# Altium PCB smart.PcbDoc (part 2 of 5)
Units mm, origin at the board's own origin, x right, y up, seen from the top; angles counter-clockwise.
Board outline 300.1 x 225.04 mm, 2 copper layers (Top Layer, Bottom Layer); 355 components, 288 nets, 1364 pads, 1127 vias.
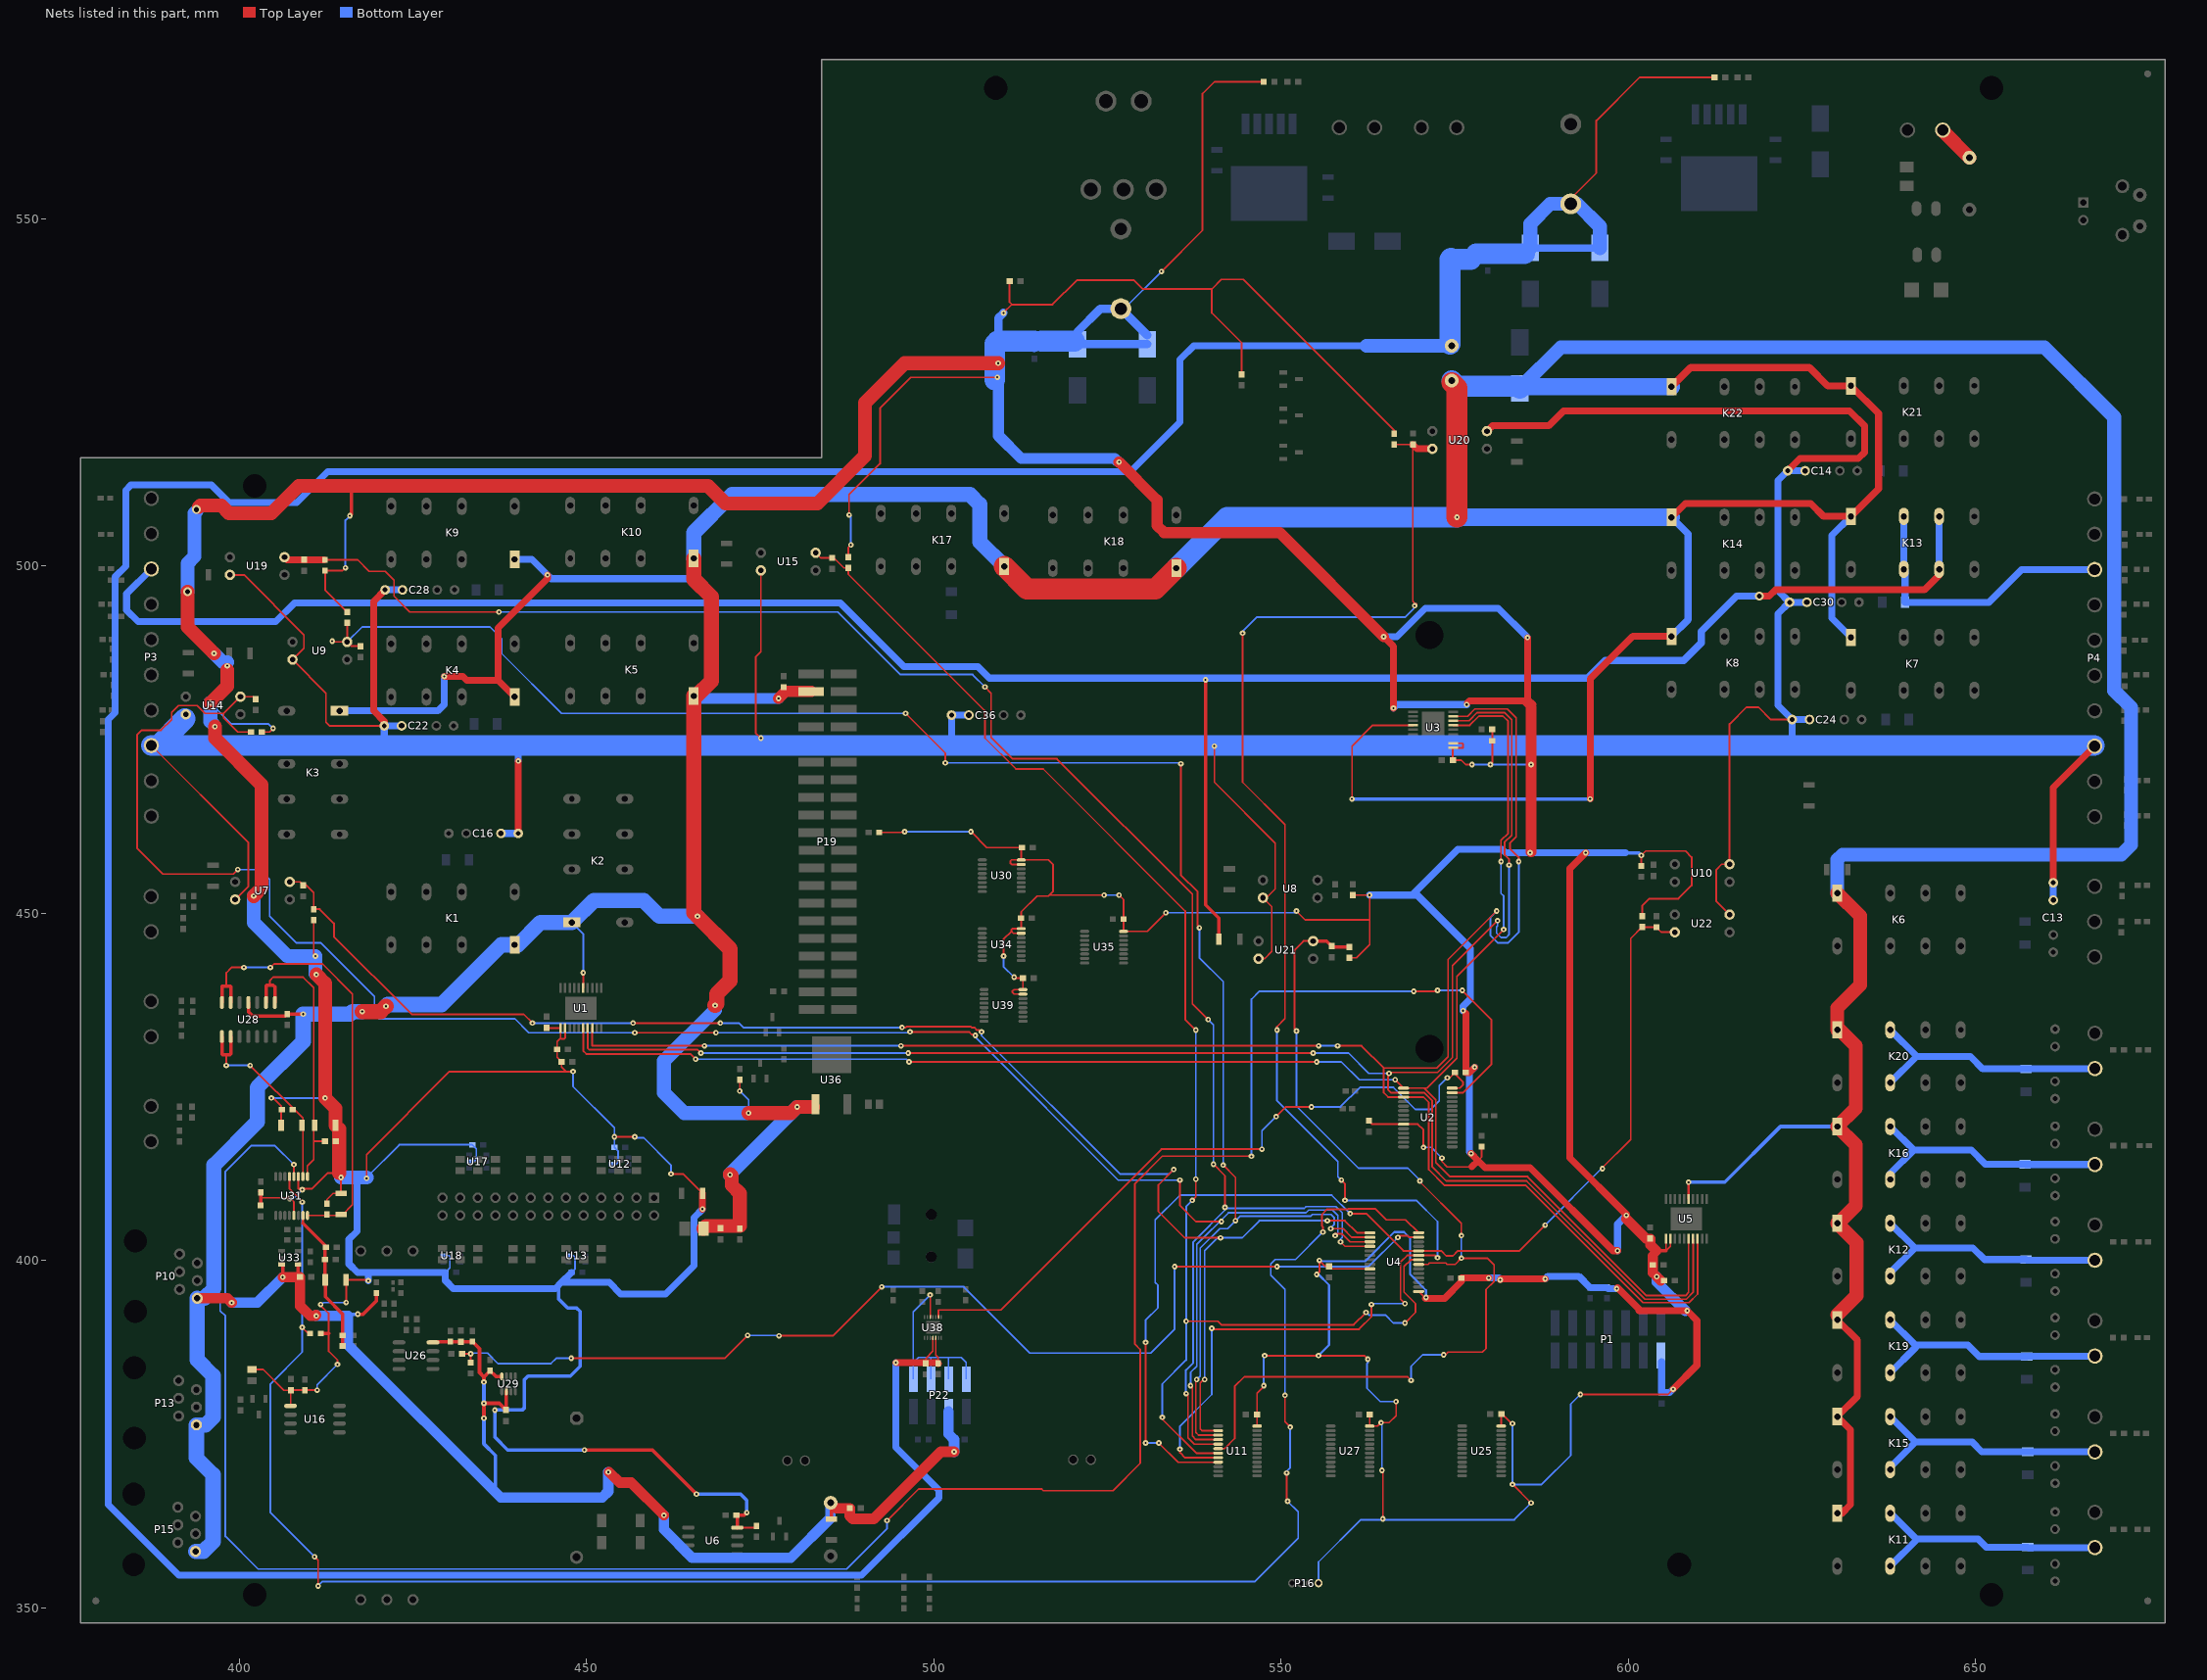
[diagram p2: the nets of this part, all layers, seen from the top]

## Via types
v1: diameter 0.8, hole 0.3, Top Layer to Bottom Layer, 1059 vias
v2: diameter 1.27, hole 0.711, Top Layer to Bottom Layer, 66 vias
v3: diameter 0.66, hole 0.33, Top Layer to Bottom Layer, tented top, 2 vias

## Nets (pads, with @x,y where several pads share a name; then routed paths per layer and width w, separated by ;. In a path a pad name is that pad's centre, name@x,y a point inside that pad or via, vN(x,y) a via of type N, cw(c..) or ccw(c..) an arc to the next point about the centre after c; other vN are vias at no path point)
3.3VCC: C1.1 C2.1 C3.1 C4.1 C5.1 C6.1 C7.2 C15.1 C18.2 C19.2 C26.1 C27.2 C32.2 C33.2 C46.1 C47.1 C57.2 C59.1 C60.2 C66.2 C76.1 C77.1 C78.2 C79.2 C81.2 D29.1 D30.1 D31.1 D32.1 L1.2 P1.1 P16.4 R1.1 R2.1 R3.1 R4.1 R9.1 R10.1 R11.2 R12.1 R13.1 R14.1 R15.1 R16.1 R17.1 R18.1 R20.2 R29.1 R30.1 R44.1 R45.1 R58.1 R59.1 R60.1 R76.1 R77.1 R80.1 R81.1 R105.1 R109.1 R117.1 R124.2 R125.2 R126.2 U1.1 U1.2 U2.9 U3.1 U3.2 U4.9 U4.15 U5.1 U5.2 U6.8 U11.24 U12.5 U13.5 U16.1 U17.5 U18.5 U25.24 U27.24 U30.15 U30.16 U31.5 U31.11 U34.15 U34.16 U35.16 U39.15 U39.16 | length 1670.3
  Top Layer w0.254: R60.1@401.828,384.34 403.441,384.34 406.438,381.343 C26.1@407.416,381.343 ; 403.098,409.067 407.289,409.067 407.868,408.488 U31.5@407.868,406.521 ; R58.1@403.238,476.123 404.368,476.123 v1(404.876,476.631) ; v1@404.876,423.418 406.043,422.251 D30.1@406.043,419.481 ; U16.1@407.382,379.095 407.416,379.129 C26.1@407.416,381.343 ; C26.1@407.382,381.309 C26.1@407.416,381.343 ; U31.11@408.518,412.121 408.518,410.378 410.505,410.378 412.75,412.623 414.401,412.623 ; v1@410.718,443.865 R29.1@410.718,449.059 ; v1(411.213,381.368) C27.2@409.448,381.368 407.441,381.368 C26.1@407.416,381.343 ; v1(411.734,393.7) 411.734,393.573 412.877,392.43 412.877,389.509 412.877,386.969 414.147,385.699 v1(414.147,385.064) ; R125.2@412.623,408.191 412.623,408.813 413.512,409.702 414.631,409.702 D31.1@414.655,409.678 v1(414.655,411.988) ; D32.1@413.869,419.481 414.401,418.949 ; v1(415.29,499.745) 414.896,499.351 R76.1@412.369,499.351 412.369,496.583 R44.1@415.544,493.408 ; v1(415.393,393.978) D29.1@415.393,397.256 v1@418.592,397.256 ; v1(418.338,411.861) 418.338,415.29 430.276,427.228 447.04,427.228 ; C1.1@444.246,433.794 444.543,433.497 U1.1@446.274,433.497 446.274,432.058 ; U1.2@446.924,433.497 446.924,432.065 446.786,431.927 446.405,431.927 446.274,432.058 ; v1(448.056,427.228) 447.04,427.228 ; v1(454.012,417.83) v1(456.946,417.83) ; v1(462.153,412.496) 463.907,412.496 R20.2@466.701,409.702 ; v1(466.701,407.44) v1@466.852,407.289 ; U6.8@471.709,361.569 474.205,361.569 R17.1@474.472,361.836 ; R59.1@487.68,501.282 487.68,502.666 v1(488.061,503.047) ; v1(487.807,507.365) 487.807,510.286 492.252,514.731 492.252,522.732 496.697,527.177 v1(509.143,527.177) ; R105.1@492.138,461.645 495.427,461.645 v1@495.554,461.772 ; v1(505.333,461.772) 507.619,459.486 C57.2@512.686,459.486 512.578,459.378 U30.16@512.578,457.697 ; v1(510.032,443.865) 510.032,446.278 511.175,447.421 ; v1(510.032,536.448) 511.238,537.654 ; R3.1@510.908,541.02 510.908,537.985 511.238,537.654 ; v1(511.556,440.817) 511.683,440.69 C81.2@512.813,440.69 ; C79.2@512.559,449.326 512.559,450.202 514.858,452.501 516.509,452.501 516.636,452.628 ; U34.15@512.578,447.141 511.455,447.141 511.175,447.421 ; C79.2@512.578,449.307 U34.16@512.578,447.791 511.291,447.791 511.175,447.675 511.175,447.421 ; U30.15@512.578,457.047 511.201,457.047 511.048,457.2 511.048,457.581 511.164,457.697 U30.16@512.578,457.697 ; U39.15@512.832,438.378 511.582,438.378 511.302,438.658 511.302,438.785 511.545,439.028 U39.16@512.832,439.028 C81.2@512.832,440.671 ; v1(524.51,452.628) 516.636,452.628 ; v1(526.669,452.628) 527.317,451.98 C66.2@527.317,449.199 527.31,449.192 U35.16@527.31,447.41 530.722,447.41 v1(533.4,450.088) ; v1(532.765,542.417) 538.67,548.322 538.67,568.007 540.385,569.722 R109.1@547.484,569.722 ; R18.1@544.322,527.571 544.322,532.13 540.004,536.448 540.004,539.877 ; U11.24@546.536,376.193 546.536,377.808 C15.1@546.519,377.825 546.519,380.911 v1@547.497,381.889 ; v1(547.624,386.334) v1(555.371,386.334) 561.975,386.334 v1(562.483,385.826) ; v1(552.196,450.342) 553.466,449.072 562.737,449.072 ; v1(555.498,400.05) 556.349,399.199 C4.1@556.895,399.199 557.273,398.821 U4.9@562.793,398.821 ; R80.1@559.816,443.598 560.819,443.598 562.737,445.516 562.737,449.072 ; R30.1@560.324,452.615 560.337,452.628 v1(562.737,452.628) 562.737,449.072 ; C2.1@562.61,420.154 563.115,419.649 U2.9@567.619,419.649 569.681,419.649 570.484,418.846 v1(570.484,416.306) ; C46.1@562.775,377.825 562.743,377.793 U27.24@562.743,376.193 563.899,376.193 v1(564.388,376.682) 565.531,376.682 566.547,377.698 v1(566.547,379.73) ; v1(564.515,369.824) 564.642,369.697 v1(564.642,362.839) ; R77.1@566.293,519.062 566.293,519.557 544.576,541.274 541.401,541.274 540.004,539.877 ; v1(573.151,414.782) 573.151,414.274 573.913,413.512 577.469,413.512 ; U3.2@574.756,474.483 576.061,474.483 576.199,474.345 576.199,473.837 576.195,473.833 U3.1@574.756,473.833 574.713,473.79 C3.1@574.713,472.059 575.945,472.059 576.58,471.424 v1(577.469,471.424) ; 575.958,397.015 R12.1@575.958,397.51 ; v1(576.199,435.991) 576.593,435.597 ; 578.358,414.401 578.866,414.909 R4.1@578.866,416.42 ; v1(580.136,471.424) 580.403,471.691 R9.1@580.403,474.853 R10.1@580.403,476.504 ; U25.24@581.666,376.193 C47.1@581.666,377.92 ; C47.1@581.698,377.952 581.787,377.952 v1@583.057,376.682 ; v1(583.311,367.792) v1(585.978,365.125) ; v1(585.851,458.724) v1@585.978,458.851 ; v1(593.09,380.746) 605.663,380.746 v1(606.425,381.508) ; R45.1@601.853,456.832 v1(601.853,458.343) 602.488,458.978 608.203,458.978 609.092,458.089 609.092,454.025 607.187,452.12 602.996,452.12 601.98,451.104 R81.1@601.98,449.593 ; C6.1@603.123,403.187 C6.1@603.166,403.144 ; 604.008,401.451 604.27,401.451 ; 604.647,397.129 R16.1@605.142,397.129 ; U5.1@605.405,403.144 605.405,401.451 605.409,401.447 606.055,402.093 U5.2@606.055,403.144 ; 446.274,432.058 445.757,431.541 R1.1@445.757,430.403 445.757,429.273 446.392,428.638 R2.1@446.392,428.625 446.392,427.876 447.04,427.228 ; 511.238,537.654 517.081,537.654 520.573,541.147 528.828,541.147 530.098,539.877 540.004,539.877 ; U30.16@512.578,457.697 516.52,457.697 517.144,457.073 517.144,453.136 516.636,452.628
  Top Layer w0.3: v1(555.117,398.018) 555.498,398.399 v1(555.498,400.05) ; U4.15@569.793,395.571 v1@570.775,394.589
  Top Layer w0.5: R117.1@411.747,389.509 412.877,389.509 ; v1(449.707,372.745) 459.486,372.745 v1(465.836,366.395) ; C7.2@471.564,363.347 472.694,363.347 v1(473.075,363.728) ; U6.8@471.709,361.569 C7.2@471.709,363.202 ; 604.27,401.451 605.405,401.451
  Top Layer w0.508: C60.2@402.958,409.956 C60.2@403.098,409.816 403.098,409.067 C59.1@403.098,407.962 ; v1(415.925,507.238) 416.179,507.492 416.179,511.556
  Top Layer w1: v2(393.827,508.127) v2@394.208,508.508 ; 414.02,412.623 v1(414.655,411.988) ; v1(466.701,407.44) R20.2@466.701,409.702 ; v1(564.769,489.839) 566.166,488.442 v1(566.166,479.552) ; v1@570.775,394.589 573.532,394.589 575.958,397.015 ; R12.1@575.958,397.51 575.973,397.525 577.918,397.525 577.933,397.51 v1(579.882,397.51) ; 576.593,435.597 R11.2@576.593,427.101 577.088,427.101 v1(577.85,427.863) ; v1@576.834,480.314 577.088,480.568 584.962,480.568 585.978,479.552 ; v1(577.342,415.417) 578.358,414.401 ; 577.469,413.512 578.358,414.401 ; v1(581.533,397.256) 581.533,397.27 581.646,397.383 v1(588.01,397.383) ; v1(585.47,489.712) 585.47,480.822 586.232,480.06 ; v1(593.852,458.724) 591.566,456.438 591.566,414.782 v1@599.694,406.654 ; v1@598.424,396.113 601.599,392.938 ; v1(598.424,401.447) 597.789,401.447 585.851,413.385 579.374,413.385 578.358,414.401 ; 599.694,406.019 v1(599.694,406.527) ; 601.472,392.811 v1(608.457,392.811) 609.854,391.414 609.854,384.937 v1(606.425,381.508) ; 602.526,403.187 C6.1@603.123,403.187 ; 603.491,398.285 v1(604.069,397.707) ; 603.491,400.672 604.27,401.451
  Top Layer w1.5: v1@585.978,458.851 v1(585.978,471.424) 585.978,479.552 ; 599.694,406.019 602.526,403.187 ; C6.1@603.166,403.144 603.166,402.293 604.008,401.451 ; 603.491,398.285 R15.1@603.491,399.415 603.491,400.672 ; v1(604.069,397.707) 604.647,397.129
  Top Layer w1.6: v1(526.669,514.985) 532.13,509.524 532.13,505.841 533.146,504.825 549.783,504.825 v1(564.769,489.839)
  Top Layer w2: v2(392.557,496.316) 392.557,491.236 v1(396.367,487.426) ; v2@394.208,508.508 394.406,508.706 397.439,508.706 398.526,507.619 404.622,507.619 408.559,511.556 416.179,511.556 467.487,511.556 470.027,509.016 483.235,509.016 490.093,515.874 490.093,523.494 495.808,529.209 v1(509.27,529.209) ; v1(395.859,480.314) 398.272,482.727 398.272,485.013 ; v1(396.494,476.885) 396.494,475.234 403.225,468.503 403.225,453.644 v1(402.082,452.501) ; v1(411.099,441.198) 412.369,439.928 v1(412.369,423.418) 413.869,421.918 D32.1@413.869,419.481 ; 414.401,412.623 414.401,418.949
  Bottom Layer w0.254: v1(395.859,480.314) 398.907,477.266 404.241,477.266 v1(404.876,476.631) ; v1(404.622,423.418) v1(412.369,423.418) ; v1(407.289,408.94) 407.797,408.94 v1(409.067,410.21) ; v1@410.972,441.325 v1(411.099,441.198) ; v1(411.213,381.368) 411.213,382.13 v1(414.147,385.064) ; v1(411.734,393.7) 411.734,393.573 412.139,393.978 v1(415.393,393.978) ; v1(415.29,499.745) 415.29,506.603 v1(415.925,507.238) ; v1@418.338,411.988 423.037,416.687 C33.2@433.565,416.687 434.14,416.112 434.14,414.655 433.759,414.274 U17.5@433.115,414.274 ; 418.592,397.818 419.1,398.326 ; U18.5@429.359,400.739 430.203,400.739 430.33,400.612 430.33,398.974 C32.2@429.682,398.326 ; U13.5@447.393,400.739 448.11,400.739 448.364,400.485 448.364,398.847 C18.2@447.843,398.326 ; v1(448.056,427.228) 448.056,425.069 454.012,419.113 v1(454.012,417.83) C19.2@454.012,416.306 454.533,415.785 454.533,414.147 454.279,413.893 U12.5@453.562,413.893 ; v1@457.2,417.703 458.216,417.703 462.153,413.766 v1(462.153,412.496) ; v1(487.807,507.365) 488.061,507.111 v1(488.061,503.047) ; v1(495.808,461.772) v1(505.333,461.772) ; 508.762,526.796 509.27,526.288 ; 509.294,526.034 509.548,526.288 ; v1(510.032,443.865) 510.032,442.341 v1(511.556,440.817) ; v1(524.51,452.628) v1(526.669,452.628) ; L1.2@526.923,537.043 527.391,537.043 v1(532.765,542.417) ; v1(533.4,450.088) 551.942,450.088 v1(552.196,450.342) ; v1(547.497,382.016) 547.497,386.207 v1(547.624,386.334) ; v1(555.117,398.018) v1@555.371,398.018 ; P16.4@555.386,353.568 555.386,356.631 561.467,362.712 583.565,362.712 v1(585.978,365.125) ; v1(555.498,400.05) v1@555.625,399.923 ; v1(562.483,385.826) 562.483,385.318 562.356,385.191 562.356,381.635 564.261,379.73 v1(566.547,379.73) ; v1(564.388,376.682) 564.515,376.555 v1(564.515,369.824) ; v1(570.484,416.306) 571.627,416.306 v1(573.151,414.782) ; v1(577.469,471.424) v1(580.136,471.424) v1(585.978,471.424) ; v1(583.311,367.792) 587.502,367.792 591.693,371.983 591.693,379.349 v1(593.09,380.746) ; v1@583.311,368.046 v1(583.311,376.555) ; R13.1@596.9,396.126 R13.1@597.04,395.986 ; v1@608.203,392.811 v1(608.457,392.811)
  Bottom Layer w0.3: v1(555.371,386.334) 556.895,387.858 556.895,396.494 v1@555.371,398.018 ; v1@555.625,399.923 562.102,399.923 566.293,404.114 567.69,404.114 568.579,403.225 568.579,398.018 570.865,395.732 v1(570.865,394.716)
  Bottom Layer w0.5: 446.011,396.494 446.011,394.475 447.294,393.192 448.564,393.192 449.072,392.684 449.072,384.81 447.675,383.413 441.579,383.413 441.071,382.905 441.071,378.841 440.728,378.498 v1(436.791,378.498) 436.791,374.612 438.658,372.745 v1(449.707,372.745) ; v1(465.836,366.395) 472.186,366.395 473.075,365.506 v1(473.075,363.728) ; 599.567,458.724 601.472,458.724 v1(601.853,458.343)
  Bottom Layer w0.508: v1(396.367,487.426) v1@396.494,487.426
  Bottom Layer w1: v2@393.827,507.873 v2(393.827,508.127) ; 416.941,411.988 416.941,404.241 415.798,403.098 415.798,399.542 417.014,398.326 419.1,398.326 C32.2@429.682,398.326 429.682,397.129 430.825,395.986 445.503,395.986 446.392,396.875 ; v1(418.592,397.129) 418.592,397.818 ; C18.2@447.843,398.326 446.392,396.875 ; v1(466.701,407.44) 465.455,406.194 465.455,399.288 461.391,395.224 454.914,395.224 453.263,396.875 446.392,396.875 ; v1(562.737,452.628) 569.595,452.628 577.215,445.008 577.215,437.642 576.199,436.626 v1(576.199,435.991) ; v1(564.769,489.839) 566.674,489.839 570.738,493.903 581.279,493.903 v1(585.47,489.712) ; v1(566.166,479.552) 566.674,480.06 v1(576.707,480.06) ; 568.833,452.628 575.437,459.232 581.787,459.232 582.295,458.724 v1(585.851,458.724) v1(593.852,458.724) 599.567,458.724 ; v1(577.342,415.417) 577.088,415.671 577.088,427.101 v1(577.85,427.863) ; v1(579.882,397.51) v1@581.406,397.51 ; v1(588.01,397.383) 588.391,397.764 592.849,397.764 R14.1@594.487,396.126 R13.1@596.9,396.126 ; R13.1@597.04,395.986 v1(598.297,395.986) ; v1(598.424,401.447) 598.424,405.257 v1(599.694,406.527) ; P1.1@604.774,385.456 C5.1@604.774,381.038 605.955,381.038 v1(606.425,381.508)
  Bottom Layer w1.2: 509.294,532.384 509.294,535.71 v1(510.032,536.448) ; C78.2@514.477,531.381 514.477,532.384 ; C76.1@520.262,532.384 C76.1@520.695,531.951 ; C77.1@530.728,531.951 C76.1@520.695,531.951 ; C77.1@530.728,533.238 L1.2@526.923,537.043 523.962,537.043 520.695,533.776 C76.1@520.695,531.951
  Bottom Layer w1.5: v1(604.069,397.707) 604.069,396.945 v1@608.203,392.811
  Bottom Layer w1.6: 509.294,526.034 509.294,518.771 512.572,515.493 526.034,515.493 v1@526.415,515.112
  Bottom Layer w2: v2(392.557,496.316) 392.557,500.38 393.573,501.396 393.573,507.619 v2@393.827,507.873 ; v1(395.859,480.314) 395.859,477.647 396.24,477.266 ; v1(396.367,487.426) 397.637,486.156 398.272,486.156 ; v1(402.082,452.501) 402.082,448.691 406.908,443.865 v1(410.972,443.865) v1@410.972,441.325 ; v1(414.655,411.988) 416.941,411.988 v1@418.338,411.988
  Bottom Layer w3: 508.762,526.796 508.762,532.003 ; 509.143,532.384 509.294,532.384 514.477,532.384 ; 515.48,532.384 C76.1@520.262,532.384
  other v1: 398.272,485.648
5VCC: C8.1 C9.1 C10.2 C40.1 C41.2 C43.2 C51.2 C53.1 C54.1 C55.2 C61.1 C88.1 D3.1 F2.2 K1.1 K2.1 K3.1 K4.1 K5.1 K6.1 K7.1 K8.1 K9.1 K10.1 K11.1 K12.1 K13.1 K14.1 K15.1 K16.1 K17.1 K18.1 K19.1 K20.1 K21.1 K22.1 L3.2 LS1.1 P10.1 P13.1 P15.1 P19.3 P22.3 R113.1 R119.1 R127.2 U1.15 U3.15 U5.15 U26.8 U28.4 U29.2 U29.8 U33.3 U33.4 U36.1 | length 1360.5
  Top Layer w0.254: U1.15@449.524,439.247 v1(449.524,441.452) ; v1(472.059,424.434) R127.2@472.059,426.072 ; v1(560.197,466.471) 560.197,474.091 563.189,477.083 U3.15@569.006,477.083
  Top Layer w0.3: U5.15@608.655,408.894 v1(608.655,411.297)
  Top Layer w0.5: U28.4@401.32,437.171 401.32,435.864 401.955,435.229 406.641,435.229 C51.2@406.908,435.496 v1(409.207,435.496) ; U33.3@406.114,399.481 406.273,399.322 v1(406.273,397.637) ; U33.4@408.464,399.481 408.464,397.948 C61.1@408.775,397.637 ; v1(417.068,392.303) 417.83,392.303 419.735,394.208 R119.1@419.735,395.084 ; U26.8@427.9,388.239 428.014,388.353 C43.2@430.403,388.353 C41.2@433.578,388.353 434.594,387.337 434.594,383.908 435.229,383.273 ; v1(435.229,377.317) v1(435.229,379.476) 437.426,379.476 C54.1@438.404,378.498 438.46,378.554 U29.2@438.46,381.195 ; v1(435.229,382.524) 435.229,383.273 ; U29.8@437.81,383.345 436.935,383.345 C55.2@436.118,384.162 435.229,383.273 ; 478.409,481.711 C53.1@478.409,482.562 479.016,481.955 ; U36.1@482.605,422.148 U36.1@482.977,422.52 ; D3.1@485.267,362.815 LS1.1@485.267,365.013 ; L3.2@574.548,526.415 L3.2@574.548,526.709 ; K19.1@630.066,391.478 K19.1@630.066,392.195 ; K12.1@630.066,405.398 K12.1@630.188,405.398 ; K20.1@630.066,433.236 K20.1@630.389,433.236
  Top Layer w1: v1(429.514,484.124) 432.181,484.124 432.747,483.558 437.261,483.558 ; K4.1@439.655,481.164 437.261,483.558 ; v1(444.373,498.729) 444.373,498.221 437.261,491.109 437.261,483.558 ; 465.436,450.107 v1(465.963,449.58) ; v1(594.487,466.471) 594.487,483.743 600.622,489.878 K8.1@606.19,489.878 ; K14.1@606.19,507.023 608.183,509.016 626.237,509.016 628.103,507.15 K13.1@632.03,507.15 636.016,511.136 636.016,521.96 K21.1@632.03,525.946 628.689,525.946 626.061,528.574 608.945,528.574 K22.1@606.19,525.819 ; K11.1@630.066,363.64 630.721,363.64 631.952,364.871 631.952,375.673 K15.1@630.066,377.559 632.968,380.461 632.968,388.576 K19.1@630.066,391.478
  Top Layer w1.5: P10.1@393.964,394.589 398.272,394.589 v1(398.907,393.954) ; v1(406.273,397.637) C61.1@408.775,397.637 408.775,393.484 410.21,392.049 410.972,392.049 v1@411.099,392.176 ; v1@453.263,369.57 454.787,368.046 456.438,368.046 v1(461.137,363.347) ; LS1.1@485.267,365.013 485.917,364.363 C8.1@487.896,364.363 487.896,363.258 488.315,362.839 491.363,362.839 501.015,372.491 v1(502.92,372.491)
  Top Layer w1.6: K5.1@465.436,481.291 K5.1@465.797,481.291 ; v1(477.647,480.949) 478.409,481.711 ; 479.016,481.955 P19.3@482.347,481.955
  Top Layer w2: F2.2@466.83,404.622 467.209,405.003 472.059,405.003 472.059,409.702 470.916,410.845 470.916,412.242 470.662,412.496 v1(470.662,412.369) ; v1(473.329,421.259) 479.425,421.259 v1(480.314,422.148) U36.1@482.605,422.148 ; K19.1@630.066,392.195 632.841,394.97 632.841,402.623 K12.1@630.066,405.398 ; K20.1@630.066,433.236 630.066,436.391 633.349,439.674 633.349,449.638 K6.1@630.066,452.921 ; K12.1@630.188,405.398 632.714,407.924 632.714,416.669 K16.1@630.066,419.317 632.714,421.965 632.714,430.911 K20.1@630.389,433.236
  Top Layer w2.2: v1(417.703,435.864) 420.37,435.864 v1(421.132,436.626) ; 465.436,450.107 K5.1@465.436,481.291 ; K10.1@465.436,501.103 465.436,498.113 467.995,495.554 467.995,483.489 K5.1@465.797,481.291 ; v1(465.963,449.58) 470.662,444.881 470.662,440.309 468.757,438.404 468.757,437.007 v1(468.503,436.753)
  Top Layer w3: K17.1@510.14,499.96 513.403,496.697 531.896,496.697 K18.1@534.905,499.706 ; L3.2@574.548,526.415 575.31,525.653 v1(575.31,507.023)
  Bottom Layer w0.254: K2.1@447.89,448.71 449.524,447.076 v1(449.524,441.452) ; v1(472.059,424.434) 473.329,423.164 473.329,421.894
  Bottom Layer w0.5: P10.1@393.964,394.589 394.97,394.589 ; 415.417,392.303 v1(417.068,392.303) ; v1(435.229,377.317) 435.229,373.634 436.88,371.983 436.88,366.649 ; v1(435.229,379.476) v1(435.229,382.524) ; K5.1@465.436,481.291 K5.1@465.778,480.949 ; R113.1@502.907,374.269 R113.1@502.92,374.256 ; v1(560.197,466.471) v1(594.487,466.471) ; C88.1@584.352,525.58 C88.1@584.591,525.819 ; v1(608.655,411.297) 613.862,411.297 621.882,419.317 K16.1@630.066,419.317
  Bottom Layer w1: K3.1@414.44,479.152 428.606,479.152 429.514,480.06 v1(429.514,484.124) ; K1.1@439.655,445.477 K1.1@440.143,445.477 ; K9.1@439.655,500.976 442.126,500.976 v1(444.373,498.729) 444.915,498.187 464.6,498.187 465.436,499.023 K10.1@465.436,501.103 ; K8.1@606.19,489.878 608.584,492.272 608.584,504.629 K14.1@606.19,507.023 ; K7.1@632.03,489.739 629.285,492.484 629.285,504.405 K13.1@632.03,507.15
  Bottom Layer w1.5: v1(398.907,393.954) 402.59,393.954 v1(406.273,397.637) ; v1(411.099,392.049) v1@411.099,392.176 ; v1@411.48,392.049 415.671,392.049 415.671,387.858 437.642,365.887 452.247,365.887 453.136,366.776 v1(453.136,369.57) ; v1(461.137,363.347) 461.137,361.315 465.201,357.251 479.425,357.251 485.14,362.966 LS1.1@485.14,365.14 ; P22.3@502.128,378.274 502.128,375.048 R113.1@502.907,374.269 ; v1(502.92,372.491) R113.1@502.92,374.256
  Bottom Layer w1.6: K5.1@465.778,480.949 v1(477.647,480.949)
  Bottom Layer w2: v1(468.503,436.753) 468.503,436.118 461.137,428.752 461.137,424.18 464.058,421.259 v1@472.948,421.259 ; v1(470.662,412.369) 470.662,412.496 v1(480.314,422.148) ; C88.1@584.591,525.819 590.267,531.495 659.892,531.495 669.925,521.462 669.925,482.092 672.338,479.679 672.338,459.867 670.941,458.47 630.809,458.47 630.066,457.727 K6.1@630.066,452.921
  Bottom Layer w2.2: P15.1@393.71,358.14 394.843,358.14 396.24,359.537 396.24,369.189 393.837,371.592 P13.1@393.837,376.364 395.16,376.364 396.24,377.444 396.24,383.433 393.964,385.709 P10.1@393.964,394.589 ; 394.97,394.589 396.367,395.986 396.367,413.766 402.59,419.989 402.59,424.942 409.207,431.559 v1(409.207,435.496) 415.938,435.496 416.306,435.864 v1(417.703,435.864) ; v1(421.132,436.626) 421.386,436.88 429.133,436.88 437.73,445.477 K1.1@439.655,445.477 ; K1.1@440.143,445.477 443.376,448.71 K2.1@447.89,448.71 451.046,451.866 458.216,451.866 460.502,449.58 v1(465.963,449.58) ; K10.1@465.436,501.103 465.436,504.806 470.916,510.286 505.206,510.286 506.603,508.889 506.603,503.497 K17.1@510.14,499.96
  Bottom Layer w2.5: v1(575.31,507.023) K14.1@606.19,507.023 ; C88.1@584.591,525.819 K22.1@606.19,525.819
  Bottom Layer w3: K18.1@534.905,499.706 542.222,507.023 v1(575.31,507.023) ; L3.2@574.548,526.709 575.35,525.907 584.025,525.907 C88.1@584.352,525.58
A0: U1.6 U2.1 U3.6 U5.6 | length 257.4
  Top Layer w0.254: U1.6@449.524,433.497 449.524,430.205 449.961,429.768 464.947,429.768 v1(465.709,429.006) ; v1(496.443,428.625) v1(555.117,428.625) ; v1@566.42,426.085 v1(566.42,426.048) U2.1@567.619,424.849 570.577,424.849 ; U3.6@574.756,477.083 577.159,477.083 578.485,478.409 581.914,478.409 582.676,477.647 582.676,461.518 581.66,460.502 v1(581.66,457.454) ; v1(582.041,447.675) 575.31,440.944 575.31,429.133 571.026,424.849 570.577,424.849 ; U5.6@608.655,403.144 608.655,395.422 608.203,394.97 602.615,394.97 585.47,412.115 574.294,412.115 572.262,414.147 572.262,423.164 570.577,424.849
  Bottom Layer w0.254: v1(465.709,429.006) 496.062,429.006 v1(496.443,428.625) ; v1(555.117,428.625) 558.673,428.625 561.25,426.048 v1(566.42,426.048) ; v1(581.66,457.454) 581.66,452.882 582.041,452.501 v1(582.041,447.675)
A1: U1.7 U2.2 U3.7 U5.7 | length 269.7
  Top Layer w0.254: U1.7@450.174,433.497 450.174,430.571 450.342,430.403 465.963,430.403 v1(466.471,429.895) ; v1(496.316,429.895) v1(554.609,429.895) ; U3.7@574.756,477.733 577.047,477.733 578.231,478.917 582.168,478.917 583.184,477.901 583.184,461.264 582.168,460.248 582.168,458.47 582.803,457.835 v1(582.803,456.946) ; v1(581.152,448.945) 574.675,442.468 574.675,429.26 572.516,427.101 565.785,427.101 565.404,426.72 565.404,424.561 565.423,424.561 565.785,424.199 U2.2@567.619,424.199 570.592,424.199 571.754,423.037 571.754,413.512 573.786,411.48 585.343,411.48 602.361,394.462 608.33,394.462 609.305,395.437 U5.7@609.305,403.144
  Bottom Layer w0.254: v1(466.471,429.895) v1(496.316,429.895) ; v1(554.609,429.895) 559.689,429.895 562.61,426.974 v1(565.531,426.974) ; v1(581.152,448.945) 581.152,448.183 581.025,448.056 581.025,447.167 581.66,446.532 582.422,446.532 582.803,446.913 v1(582.803,456.946)
A2: U1.8 U2.3 U3.8 U5.8 | length 277.8
  Top Layer w0.254: U1.8@450.824,433.497 450.824,430.937 v1(466.979,430.937) ; v1(495.274,430.937) v1(555.397,430.937) ; v1(558.139,430.937) 561.568,430.937 564.769,427.736 ; U3.8@574.756,478.383 576.834,478.383 577.876,479.425 582.549,479.425 583.819,478.155 583.819,461.01 582.93,460.121 582.93,459.359 584.2,458.089 v1(584.2,457.454) ; v1(581.025,450.342) 574.04,443.357 574.04,429.387 572.389,427.736 564.769,427.736 ; U5.8@609.955,403.144 609.955,395.198 608.711,393.954 602.107,393.954 585.216,410.845 573.532,410.845 571.246,413.131 571.246,422.783 570.48,423.549 U2.3@567.619,423.549 565.4,423.549 564.769,424.18 564.769,427.736
  Bottom Layer w0.254: v1(466.979,430.937) v1(495.274,430.937) ; v1(555.397,430.937) v1(558.139,430.937) ; v1(581.025,450.342) 580.136,449.453 580.136,446.786 581.152,445.77 582.676,445.77 584.2,447.294 v1(584.2,457.454)
ADC2: D32.3 R126.1 U28.1 U28.2 U31.9 | length 43
  Top Layer w0.254: 404.431,439.674 404.431,440.373 404.876,440.817 409.194,440.817 410.718,439.293 410.718,417.195 ; U31.9@409.818,412.121 409.818,413.628 410.718,414.528 410.718,417.195 ; R126.1@412.356,417.195 410.718,417.195
  Top Layer w0.5: U28.2@403.86,437.171 403.86,439.547 403.987,439.674 404.431,439.674 404.876,439.674 405.13,439.42 U28.1@405.13,437.171
ADC3: D31.3 R125.1 U28.6 U28.7 U31.8 | length 65.7
  Top Layer w0.254: 398.145,439.547 398.145,441.452 398.907,442.214 v1(400.685,442.214) ; v1(404.495,442.214) 405.003,442.722 411.988,442.722 416.306,438.404 416.306,408.051 414.776,406.521 U31.8@409.818,406.521
  Top Layer w0.5: U28.7@397.51,437.171 397.51,439.42 397.637,439.547 398.145,439.547 398.653,439.547 398.78,439.42 U28.6@398.78,437.171
  Bottom Layer w0.254: v1(400.685,442.214) v1(404.495,442.214)
ADC4: D30.3 R124.1 U28.8 U28.9 U31.10 | length 30.5
  Top Layer w0.254: v1(398.145,428.117) 398.145,429.641 ; v1(401.574,428.117) 409.168,420.523 U31.10@409.168,412.121
  Top Layer w0.5: U28.8@397.51,432.271 397.51,429.768 397.637,429.641 398.145,429.641 398.653,429.641 398.78,429.768 U28.9@398.78,432.271
  Bottom Layer w0.254: v1(398.145,428.117) v1(401.574,428.117)
ADC_ALR: R117.2 U4.28 U31.13 | length 278.9
  Top Layer w0.254: U31.13@407.218,412.121 407.218,410.408 409.067,408.559 v1(409.067,408.432) ; v1(409.067,390.398) 409.956,389.509 R117.2@410.197,389.509 ; v1(410.845,357.378) 411.353,356.87 v1(411.353,353.187) ; v1(550.545,380.619) 550.545,376.809 v1@551.18,376.174 ; v1(550.799,369.443) 550.799,365.506 v1(550.926,365.379) ; v1(556.006,404.114) 556.006,404.876 555.879,405.003 555.879,406.654 556.641,407.416 559.621,407.416 559.663,407.458 563.584,407.458 565.15,405.892 567.922,405.892 U4.28@569.793,404.021
  Bottom Layer w0.254: v1(409.067,408.432) v1(409.067,390.398) 409.067,386.842 404.495,382.27 404.495,363.728 v1(410.845,357.378) ; v1(411.353,353.187) 411.988,353.822 546.227,353.822 552.45,360.045 552.45,363.855 v1(550.926,365.379) ; v1(550.545,380.619) 550.545,395.859 548.513,397.891 548.513,399.542 549.148,400.177 552.069,400.177 v1(556.006,404.114) ; v1(550.799,369.443) 550.799,369.697 551.307,370.205 v1(551.307,376.047)
ADC_CONV: U2.27 U31.12 | length 340.4
  Top Layer w0.254: U31.12@407.868,412.121 v1(407.868,413.837) ; v1(493.268,362.585) 497.84,367.157 515.493,367.157 515.747,366.903 525.78,366.903 529.717,370.84 529.717,387.223 528.955,387.985 528.955,411.099 532.892,415.036 v1(545.719,415.036) v1@545.846,415.163 ; v1(569.087,438.785) v1@572.389,438.785 ; U2.27@574.619,424.199 576.218,424.199 580.263,428.244 580.263,434.721 v1(576.072,438.912)
  Bottom Layer w0.254: v1(407.868,413.837) 405.145,416.56 401.701,416.56 398.003,412.862 398.003,395.224 397.256,394.477 397.256,392.796 398.003,392.049 398.003,360.314 402.717,355.6 487.426,355.6 493.268,361.442 v1(493.268,362.585) ; v1(545.719,415.036) 545.719,437.642 546.862,438.785 v1(569.087,438.785) ; v1(572.516,438.912) v1(576.072,438.912)
AUDIO_5VCC: C85.1 C86.1 C87.2 C91.1 C92.2 L2.2 L3.1 R114.1 U38.11 U38.12 | length 606.2
  Top Layer w0.2: C91.1@498.856,385.229 498.856,385.318 498.856,385.953 499.872,386.969 U38.11@499.872,388.898 ; U38.12@500.272,388.898 500.272,386.442 500.634,386.08 C92.2@500.634,385.204
  Top Layer w0.254: L2.2@590.931,552.156 595.376,556.601 595.376,564.134 601.599,570.357 R114.1@612.381,570.357
  Top Layer w1: v1(494.538,385.318) 498.856,385.318 500.52,385.318 C92.2@500.634,385.204
  Bottom Layer w1: v1(494.538,385.318) 494.538,373.126 500.761,366.903 500.761,365.887 489.585,354.711 391.287,354.711 381.127,364.871 381.127,477.901 382.143,478.917 382.143,498.475 383.667,499.999 383.667,510.921 384.429,511.683 395.986,511.683 398.526,509.143 408.305,509.143 412.75,513.588 528.32,513.588 535.432,520.7 535.432,529.717 537.424,531.709 562.269,531.709
  Bottom Layer w1.1: L3.1@574.294,531.963 L3.1@574.548,531.709 ; C85.1@585.866,545.792 C86.1@595.899,545.792 ; L2.2@590.931,552.156 L2.2@592.622,552.156
  Bottom Layer w2: 562.269,531.709 L3.1@574.548,531.709 ; 577.445,544.322 578.08,544.957 ; C85.1@585.031,544.957 C85.1@585.866,545.792 585.866,549.29 588.732,552.156 L2.2@590.931,552.156 ; L2.2@592.622,552.156 595.899,548.879 C86.1@595.899,545.792
  Bottom Layer w3: L3.1@574.294,531.963 574.294,544.171 ; 574.445,544.322 574.294,544.171 ; 577.445,544.322 577.294,544.171 574.294,544.171 ; 578.08,544.957 C85.1@585.031,544.957
AUDIO_G: P22.2 P22.4 P22.6 P22.8 U38.5 | length 33.1
  Top Layer w0.2: U38.5@499.472,391.898 v1(499.472,395.078)
  Bottom Layer w0.2: P22.8@497.048,382.949 497.048,385.288 ; v1(499.472,395.078) 497.048,392.654 497.048,385.288 ; P22.6@499.588,382.949 499.588,386.05 ; P22.4@502.128,382.949 502.128,385.983 ; P22.2@504.668,382.949 504.668,385.348 503.936,386.08 497.84,386.08 497.048,385.288
AUDIO_SHDN: R11.1 U2.28 U38.2 | length 98.9
  Top Layer w0.254: U38.2@500.672,391.898 500.672,392.915 509.628,392.915 532.765,416.052 v1(547.243,416.052) ; v1(549.275,420.751) 550.672,422.148 v1(554.355,422.148) ; v1(573.913,426.339) 574.281,426.339 R11.1@575.043,427.101 ; U2.28@574.619,424.849 575.725,424.849 576.199,425.323 576.199,425.691 R11.1@574.929,426.961
  Bottom Layer w0.254: v1(547.243,416.052) 547.243,418.719 v1(549.275,420.751) ; v1(554.355,422.148) 558.546,422.148 561.34,424.942 566.166,424.942 569.341,421.767 571.5,421.767 572.77,423.037 572.77,425.196 v1(573.913,426.339)
AUX1: K13.6 K13.11 P3.8 R82.1 | length 328.3
  Top Layer w0.5: v1(539.115,483.616) 539.115,451.231 541.044,449.302 R82.1@541.044,446.278
  Top Layer w1: v2(618.871,495.681) 620.268,495.681 621.157,496.57 642.62,496.57 644.73,498.68 K13.11@644.73,499.53
  Bottom Layer w1: P3.8@387.35,499.571 383.794,496.015 383.794,493.649 385.445,491.998 405.257,491.998 407.924,494.665 486.537,494.665 495.681,485.521 506.349,485.521 508,483.87 594.106,483.87 596.646,486.41 607.949,486.41 610.489,488.95 610.489,490.601 615.569,495.681 v2(618.871,495.681) ; K13.11@644.73,499.53 K13.6@644.73,507.15
AUX2: K13.4 K13.13 P4.3 R65.2 | length 41.7
  Bottom Layer w1: K13.4@639.65,507.15 K13.13@639.65,499.53 639.825,499.355 R65.2@639.825,494.792 651.891,494.792 656.59,499.491 P4.3@667.131,499.491
C: P21.2 RT1.1 | length 5.6
  Top Layer w0.254: P21.2@645.247,562.65 P21.2@645.247,562.757
  Top Layer w2: P21.2@645.247,562.65 RT1.1@649.097,558.8
C1: C13.1 C14.1 C16.1 C22.1 C24.1 C28.1 C30.1 C36.1 P3.3 P4.8 U7.2 U8.2 U9.2 U10.2 U14.2 U15.2 U19.2 U20.2 U21.2 U22.2 | length 652.1
  Top Layer w0.254: P3.3@387.35,474.171 401.32,460.201 401.32,453.898 U7.2@399.415,451.993 ; U19.2@398.653,498.729 400.685,498.729 409.321,490.093 409.321,488.188 U9.2@407.67,486.537 412.496,481.711 412.496,477.52 413.004,477.012 C22.1@420.878,477.012 ; v1(475.107,475.234) 474.345,475.996 474.345,486.918 475.107,487.68 U15.2@475.107,499.364 ; v1(540.385,474.091) 540.385,468.884 549.148,460.121 549.148,453.517 547.878,452.247 U8.2@547.37,452.247 548.64,450.977 548.64,444.5 547.624,443.484 U21.2@546.735,443.484 ; U22.2@614.553,449.834 612.648,451.739 612.648,456.311 613.41,457.073 U10.2@614.553,457.073 614.553,477.266 616.966,479.679 618.744,479.679 620.522,477.901 C24.1@623.57,477.901
  Top Layer w1: C22.1@420.878,477.012 420.878,477.647 419.354,479.171 419.354,494.919 C28.1@421.005,496.57 ; C16.1@440.182,461.518 v1(440.182,471.932) ; U20.2@579.628,519.43 580.39,520.192 588.518,520.192 590.677,522.351 631.825,522.351 633.984,520.192 633.984,516.382 633.095,515.493 624.713,515.493 C14.1@622.935,513.715 ; C13.1@661.162,454.406 661.162,468.122 P4.8@667.131,474.091
  Bottom Layer w1: 420.751,474.171 420.878,474.298 C22.1@420.878,477.012 C22.1@423.378,477.012 ; C28.1@421.005,496.57 C28.1@423.505,496.57 ; 430.149,473.79 430.53,474.171 ; C16.1@437.682,461.518 C16.1@440.182,461.518 ; v1(440.182,471.932) 440.182,473.917 ; 502.539,474.552 C36.1@502.539,478.536 C36.1@505.039,478.536 ; 623.824,474.171 623.57,474.425 C24.1@623.57,477.901 ; C14.1@625.435,513.715 C14.1@622.935,513.715 621.538,512.318 621.538,496.443 C30.1@623.189,494.792 ; C30.1@625.689,494.792 C30.1@623.189,494.792 ; C24.1@626.07,477.901 C24.1@623.57,477.901 ; C13.1@661.162,451.906 C13.1@661.162,454.406 ; C30.1@623.189,494.792 621.538,493.141 621.538,479.933 C24.1@623.57,477.901
  Bottom Layer w1.2: P4.8@667.051,474.171 P4.8@667.131,474.091
  Bottom Layer w3: P3.3@387.35,474.171 P3.3@388.319,474.171 ; U14.2@392.176,478.028 P3.3@388.319,474.171 ; P4.8@667.051,474.171 623.824,474.171 430.53,474.171 420.751,474.171 P3.3@388.319,474.171
CO_AOUT: C64.2 C65.2 D29.3 R118.1 R121.2 U31.7 | length 21.2
  Top Layer w0.4: 409.168,405.41 U31.7@409.168,406.521
  Top Layer w0.5: 409.168,405.41 412.369,402.209 D29.3@412.369,397.256 ; D29.3@412.393,397.256 412.393,394.819 414.896,392.316 R118.1@414.896,389.255 R121.2@414.896,387.731
CO_DOUT: R120.1 R123.2 U4.27 | length 160.3
  Top Layer w0.254: R120.1@432.067,386.588 v1(433.324,386.588) R123.2@433.324,385.331 ; v1(447.802,385.953) 469.9,385.953 v1(473.202,389.255) ; v1(477.71,389.191) 485.457,389.191 v1(492.506,396.24) ; v1(534.67,399.161) v1@549.148,399.161 ; v1(566.801,403.352) 567.055,403.606 568.198,403.606 568.433,403.371 U4.27@569.793,403.371
  Bottom Layer w0.254: v1@433.451,386.715 435.737,386.715 437.261,385.191 444.881,385.191 445.643,385.953 v1(447.802,385.953) ; v1(473.202,389.255) 477.647,389.255 v1(477.71,389.191) ; v1(492.506,396.24) 504.317,396.24 513.842,386.715 531.241,386.715 534.67,390.144 534.67,398.907 v1@534.924,399.161 ; v1(549.402,399.161) 562.61,399.161 v1(566.801,403.352)
COM1: K11.4 K11.13 P7.2 R47.2 | length 37
  Bottom Layer w1: K11.13@637.686,356.02 641.477,359.811 641.477,359.918 ; K11.4@637.686,363.64 637.755,363.64 641.477,359.918 ; P7.2@667.151,358.688 657.565,358.688 R47.2@657.479,358.774 651.511,358.774 650.367,359.918 641.477,359.918
COM2: K15.4 K15.13 P8.2 R51.2 | length 37
  Bottom Layer w1: K15.13@637.686,369.939 637.686,370.217 641.357,373.888 ; K15.4@637.686,377.559 641.357,373.888 ; P8.2@667.151,372.48 657.489,372.48 R51.2@657.479,372.49 650.876,372.49 649.478,373.888 641.357,373.888
COM3: K19.4 K19.13 P9.2 R57.2 | length 37.2
  Bottom Layer w1: K19.13@637.686,383.858 641.306,387.479 641.306,387.858 ; K19.4@637.686,391.478 641.306,387.858 ; P9.2@667.151,386.272 657.418,386.272 R57.2@657.352,386.206 650.495,386.206 648.843,387.858 641.306,387.858
COM4: K12.4 K12.13 P11.2 R62.2 | length 37.2
  Bottom Layer w1: K12.13@637.686,397.778 637.686,398.258 641.256,401.828 ; K12.4@637.686,405.398 641.256,401.828 ; P11.2@667.151,400.065 657.336,400.065 R62.2@657.225,400.176 651.257,400.176 649.605,401.828 641.256,401.828
COM5: K16.4 K16.13 P12.2 R66.2 | length 37.4
  Bottom Layer w1: K16.13@637.686,411.697 637.686,412.533 641.078,415.925 ; K16.4@637.686,419.317 641.078,415.925 ; P12.2@667.151,413.857 657.133,413.857 R66.2@657.098,413.892 651.384,413.892 649.351,415.925 641.078,415.925
COM6: K20.4 K20.13 P14.2 R75.2 | length 37.2
  Bottom Layer w1: K20.13@637.686,425.616 641.457,429.387 641.535,429.387 ; K20.4@637.686,433.236 641.535,429.387 ; P14.2@667.151,427.649 657.266,427.649 R75.2@657.225,427.608 651.003,427.608 649.224,429.387 641.535,429.387
COMP1: C11.1 R29.2 U4.1 U7.4 U11.2 | length 220.6
  Top Layer w0.254: U7.4@407.285,454.533 408.724,454.533 C11.1@409.194,454.063 409.664,454.063 410.718,453.009 R29.2@410.718,450.609 411.594,450.609 413.639,448.564 413.639,446.659 424.815,435.483 440.944,435.483 v1(442.214,434.213) ; v1(456.692,434.213) v1(469.265,434.213) ; v1(495.427,433.578) 495.935,433.578 496.062,433.705 505.333,433.705 505.46,433.578 505.841,433.578 506.222,433.197 506.603,433.197 v1(506.857,432.943) ; v1(534.543,413.131) 532.32,410.909 532.32,407.099 536.13,403.288 v1(541.274,403.288) ; v1@539.115,383.159 538.353,382.397 538.353,375.793 538.603,375.543 U11.2@540.936,375.543 ; v1(556.641,405.765) 559.181,405.765 560.925,404.021 U4.1@562.793,404.021
  Bottom Layer w0.254: v1(442.214,434.213) v1(456.692,434.213) ; v1(469.265,434.213) 471.932,434.213 472.567,433.578 v1(495.427,433.578) ; v1(506.857,432.943) 506.857,432.435 526.796,412.496 533.908,412.496 v1(534.543,413.131) ; v1(538.988,382.905) 538.988,401.447 540.829,403.288 v1(541.274,403.288) 544.385,403.288 546.862,405.765 v1(556.641,405.765)
COMP2: C20.1 R44.2 U4.2 U9.4 U11.3 | length 267
  Top Layer w0.254: v1(413.385,489.204) 413.512,489.077 U9.4@415.54,489.077 ; R44.2@415.54,491.854 U9.4@415.54,489.077 ; C20.1@417.449,488.48 416.137,488.48 U9.4@415.54,489.077 ; v1(495.935,478.79) 501.65,473.075 v1(501.65,471.678) ; v1(535.559,471.551) 535.559,455.549 537.972,453.136 537.972,448.183 v1(538.226,447.929) ; v1(537.845,382.905) 537.718,382.905 537.718,375.285 538.11,374.893 U11.3@540.936,374.893 ; v1(541.655,413.766) 543.433,411.988 v1(543.433,405.765) ; v1(557.149,404.622) 558.927,404.622 560.178,403.371 U4.2@562.793,403.371
  Bottom Layer w0.254: U9.4@415.54,489.077 417.699,491.236 436.118,491.236 437.769,489.585 437.769,487.426 446.405,478.79 v1(495.935,478.79) ; v1(501.65,471.678) v1@535.559,471.678 ; v1(537.845,382.905) 538.353,383.413 538.353,401.828 541.147,404.622 542.29,404.622 v1(543.433,405.765) 544.068,406.4 554.228,406.4 554.482,406.654 557.149,406.654 557.657,406.146 557.657,405.257 557.149,404.749 v1(557.149,404.622) ; v1(538.226,447.929) 538.226,443.611 541.655,440.182 v1(541.655,413.766)
COMP3: C34.1 R58.2 U4.3 U11.4 U14.4 | length 291.8
  Top Layer w0.254: v1(399.796,456.311) 399.161,455.676 389.001,455.676 385.318,459.359 385.318,475.742 385.953,476.377 388.747,476.377 390.271,477.901 390.271,478.917 391.287,479.933 393.954,479.933 395.093,478.794 397.764,478.794 ; R58.2@401.688,476.123 399.796,476.123 397.764,478.155 397.764,478.794 ; C34.1@402.336,480.86 401.993,481.203 U14.4@400.173,481.203 397.764,478.794 ; v1(456.946,432.816) v1(468.63,432.816) ; v1(496.57,432.943) 505.079,432.943 505.46,432.562 505.587,432.562 505.968,432.181 v1@506.095,432.181 ; v1(535.432,411.607) 535.432,407.924 537.718,405.638 v1(541.401,405.638) ; v1(536.956,382.016) 537.21,381.762 537.21,374.777 537.744,374.243 U11.4@540.936,374.243 ; v1@557.784,403.86 558.8,403.86 559.939,402.721 U4.3@562.793,402.721
  Bottom Layer w0.254: v1(399.796,456.311) 402.971,456.311 404.368,454.914 404.368,449.58 408.178,445.77 411.734,445.77 419.481,438.023 419.481,435.483 420.116,434.848 439.674,434.848 441.706,432.816 v1(456.946,432.816) ; v1(468.63,432.816) v1@496.316,432.816 ; v1(505.968,432.435) 505.968,432.181 526.542,411.607 v1(535.432,411.607) ; v1(536.956,382.016) 536.956,383.921 537.845,384.81 537.845,402.336 542.417,406.908 553.593,406.908 553.974,407.289 557.403,407.289 558.165,406.527 558.165,403.987 v1(557.784,403.606)
COMP4: C38.1 R76.2 U4.4 U11.5 U19.4 | length 268.4
  Top Layer w0.254: R76.2@412.369,500.901 417.055,500.901 418.719,499.237 421.005,499.237 422.275,497.967 422.275,495.681 424.561,493.395 v1(437.388,493.395) ; v1(507.365,482.6) 508.254,481.711 508.254,475.361 511.365,472.249 517.716,472.249 537.21,452.755 537.21,437.007 v1(539.496,434.721) ; v1@536.575,380.873 536.575,374.523 537.505,373.593 U11.5@540.936,373.593 ; v1(540.258,413.893) 541.909,412.242 v1(541.909,407.67) ; v1(558.546,402.717) 559.192,402.071 U4.4@562.793,402.071
  Top Layer w1: U19.4@406.866,500.926 C38.1@409.321,500.926 R76.2@412.267,500.926
  Bottom Layer w0.254: v1(437.388,493.395) 486.156,493.395 495.173,484.378 505.587,484.378 v1(507.365,482.6) ; v1(536.321,380.873) 536.279,380.915 536.279,384.26 537.337,385.318 537.337,402.717 542.163,407.543 553.339,407.543 553.593,407.797 557.911,407.797 558.8,406.908 558.8,403.352 558.546,403.098 v1(558.546,402.717) ; v1(539.496,434.721) 540.258,433.959 v1(540.258,413.893)
COMP5: C48.1 R80.2 U4.21 U11.6 U21.4 | length 141.9
  Top Layer w0.254: U11.6@540.936,372.943 541.853,372.943 543.306,374.396 543.306,381.889 544.703,383.286 568.198,383.286 v1(568.706,382.778) ; v1(552.196,433.07) 551.942,433.324 551.942,444.754 553.212,446.024 U21.4@554.605,446.024 ; U4.21@569.793,399.471 571.175,399.471 571.373,399.669 573.715,399.669 573.913,399.471 575.049,399.471 v1(575.945,400.368) 579.692,400.368 580.659,399.4 580.659,397.188 580.629,397.158 580.629,397.061 580.644,397.046 580.644,397.002 579.501,395.859 579.501,387.35 578.993,386.842 574.04,386.842 v1@573.659,386.461 ; v1(569.976,411.48) 569.976,411.353 575.945,405.384 v1(575.945,403.606)
  Top Layer w0.5: U21.4@554.605,446.024 556.552,446.024 C48.1@557.276,445.3 ; C48.1@557.428,445.148 R80.2@559.816,445.148
  Bottom Layer w0.254: v1(552.196,433.07) 552.196,422.275 561.149,413.321 568.261,413.321 v1@570.23,411.353 ; v1(568.706,382.778) 568.706,384.81 570.357,386.461 v1(573.405,386.461) ; v1(575.945,400.368) v1(575.945,403.606)
COMP6: C35.1 R59.2 U4.22 U11.7 U15.4 | length 208.3
  Top Layer w0.254: U15.4@482.977,501.904 483.701,501.18 C35.1@485.394,501.18 485.61,501.18 487.058,499.732 R59.2@487.68,499.732 487.68,498.856 507.365,479.171 507.365,475.234 511.81,470.789 515.747,470.789 536.194,450.342 536.194,434.721 v1(537.718,433.197) ; v1(532.892,377.444) 532.892,377.19 537.789,372.293 U11.7@540.936,372.293 ; v1(536.321,391.287) 540.893,391.287 541.401,390.779 560.451,390.779 v1(562.229,392.557) ; v1(537.21,408.686) 537.718,409.194 v1(537.718,411.734) ; v1(567.817,391.033) 569.341,392.557 569.341,393.827 567.69,395.478 567.69,399.161 568.65,400.121 U4.22@569.793,400.121
  Bottom Layer w0.254: v1(532.892,377.444) 532.892,382.27 536.321,385.699 536.321,407.797 v1(537.21,408.686) ; v1(537.718,411.734) v1(537.718,433.197) ; v1(562.229,392.557) 562.61,392.176 565.023,392.176 566.166,391.033 v1(567.817,391.033)
COMP7: C39.1 R77.2 U4.23 U11.8 U20.4 | length 233.6
  Top Layer w0.254: v1(535.432,372.872) 535.432,372.364 536.153,371.643 U11.8@540.936,371.643 ; v1@539.877,390.525 540.004,390.398 v1(540.004,390.271) 540.004,390.144 561.213,390.144 562.991,391.922 v1(562.991,393.7) ; v1(544.449,490.347) 544.449,468.884 550.545,462.788 550.545,434.848 549.402,433.705 v1(549.402,433.197) ; v1(558.673,411.607) 559.181,411.099 v1(559.181,408.686) ; R77.2@566.293,517.512 568.935,517.512 C39.1@568.96,517.487 568.96,494.919 569.341,494.538 569.468,494.538 v1(569.214,494.284) ; v1(567.817,393.827) 567.182,394.462 567.182,399.796 568.157,400.771 U4.23@569.793,400.771 572.176,400.771 v1(572.516,400.431)
  Top Layer w1: C39.1@568.96,517.487 569.557,516.89 U20.4@571.758,516.89
  Bottom Layer w0.254: v1(535.432,372.872) 535.432,376.174 540.004,380.746 v1(540.004,390.271) ; v1@544.322,490.474 546.481,492.633 567.817,492.633 569.087,493.903 569.087,494.157 569.341,494.411 569.341,494.157 v1(569.214,494.284) ; v1(549.402,433.197) 549.402,423.037 558.165,414.274 558.165,412.115 v1(558.673,411.607) ; v1(559.181,408.686) 569.468,408.686 572.516,405.638 v1(572.516,400.431) ; v1(562.991,393.7) 563.118,393.827 v1(567.817,393.827)
COMP8: C49.1 R81.2 U4.24 U11.9 U22.4 | length 161.4
  Top Layer w0.254: v1(530.479,373.761) v1(530.479,388.239) ; v1(532.384,373.761) 535.152,370.993 U11.9@540.936,370.993 ; v1(559.943,406.781) 562.229,406.781 567.589,401.421 U4.24@569.793,401.421 573.05,401.421 573.786,400.685 574.701,400.685 575.437,401.421 584.301,401.421 v1(588.01,405.13) ; v1(596.265,413.258) 596.138,413.258 600.329,417.449 600.329,446.392 R81.2@601.98,448.043 602.005,448.018 C49.1@604.012,448.018 604.736,447.294 U22.4@606.683,447.294
  Bottom Layer w0.254: v1(530.479,388.239) 530.479,391.414 532.257,393.192 532.257,396.494 531.876,396.875 531.876,405.892 535.432,409.448 557.276,409.448 v1(559.943,406.781) ; v1@530.733,373.761 v1(532.384,373.761) ; v1(588.01,405.13) 596.138,413.258 v1(596.265,413.258)